# KiCad board VersaSens_HeEx.kicad_pcb
title: VersaSens Layout; date: 2024-01-10; rev: 00; company: EPFL, Embedded Systems Laboratory; note: Author: Taraneh Aminosharieh Najafi; note: Approved: José Angel Miranda Calero
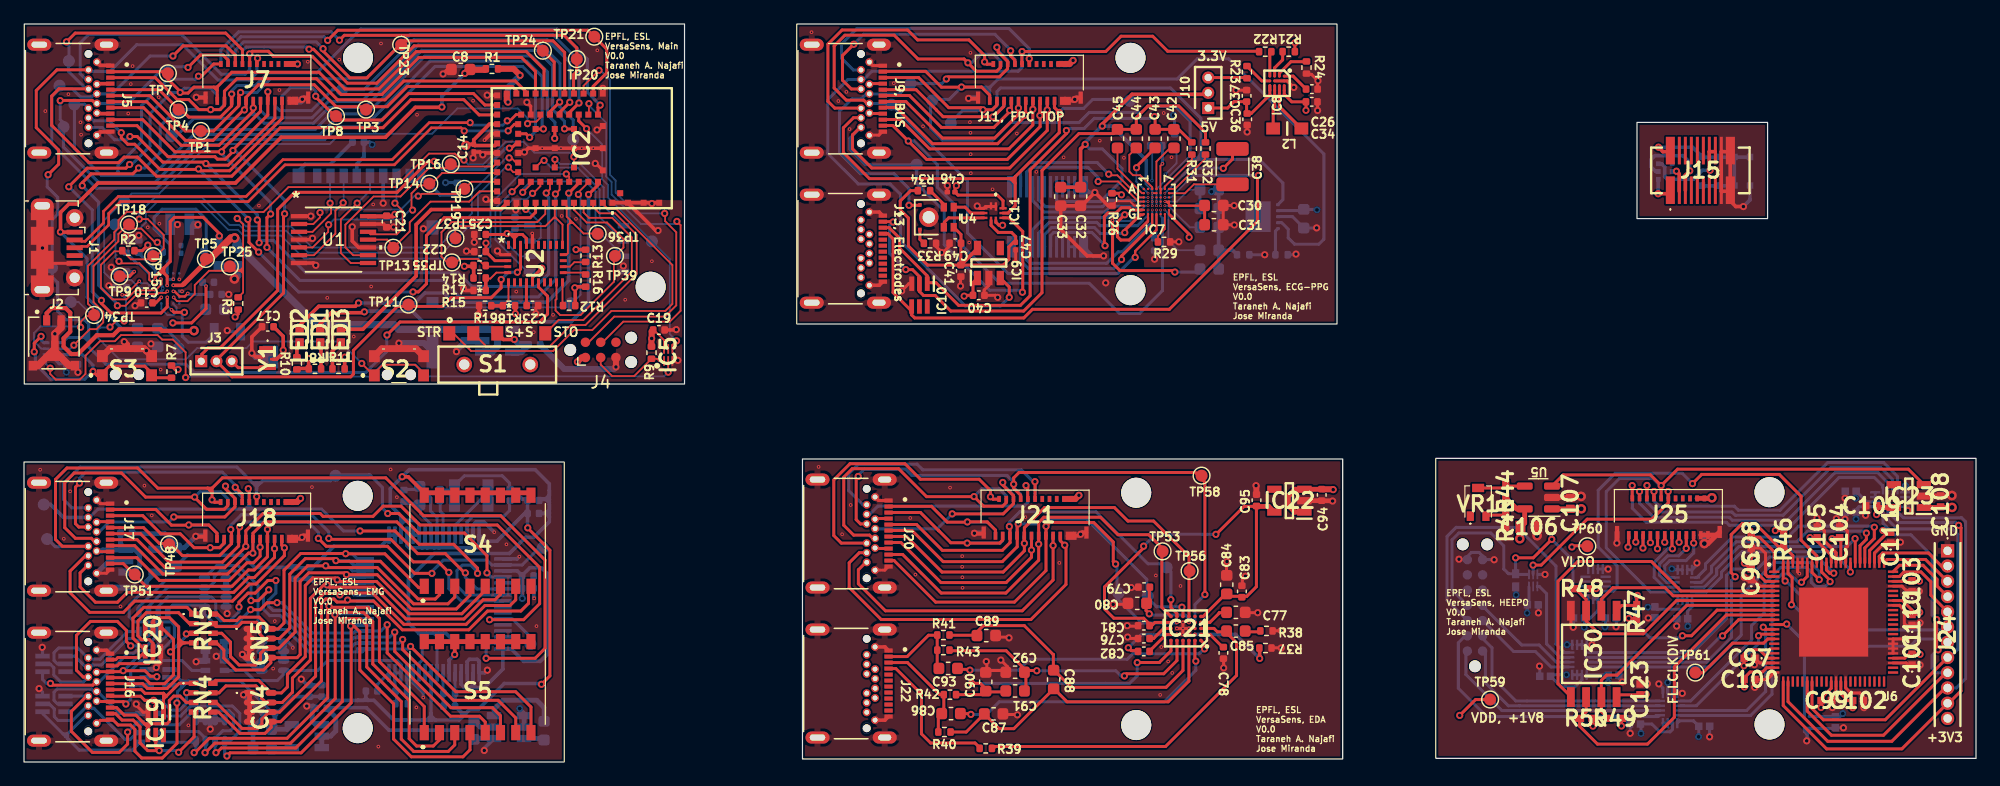
[diagram p0: board, top side]
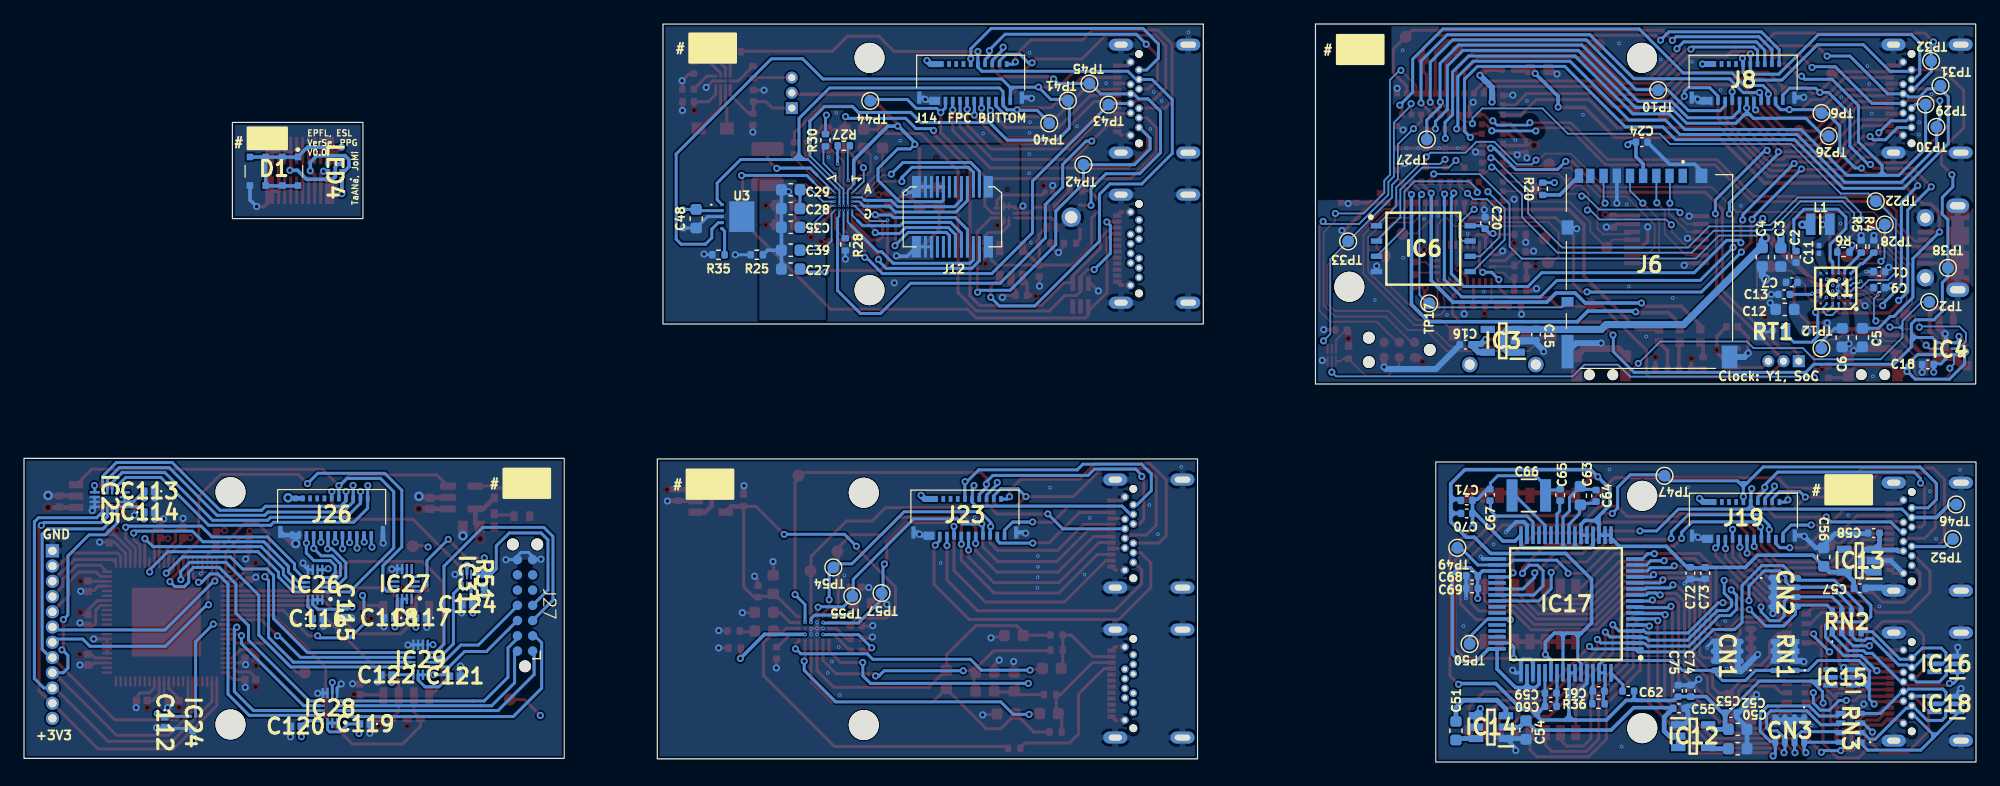
[diagram p1: board, bottom side, seen from below]

Outline 162.6 x 61.5 mm; copper layers: Top, GND (plane), PWR (plane), Bottom. Coordinates in mm from the lower left corner of the outline.
Outline path: rectangle 0,25 45,0 ; rectangle 0.02,61.5 55.02,31.5 ; rectangle 64.37,61.5 109.37,36.5 ; rectangle 64.84,25.26 109.84,0.26 ; rectangle 117.6,25.31 162.6,0.31 ; rectangle 134.36,53.31 145.23,45.29
Stack: Top 0.035mm / dielectric 0.11mm FR4 er 4.5 / GND 0.035mm / dielectric 0.4mm FR4 er 4.5 / PWR 0.035mm / dielectric 0.11mm FR4 er 4.5 / Bottom 0.035mm

## Placement (name value [footprint] x y rotation side)
C1  1uF  [C_0402_1005Metric]  8.06 40.87 180 bottom
C2  1uF  [C_0402_1005Metric]  14.99 42.1 270 bottom
C3  22uF  [C_0603_1608Metric]  16.26 42.07 270 bottom
C4  22uF  [C_0603_1608Metric]  17.8 42.07 270 bottom
C5  4.7uF  [C_0603_1608Metric]  9.46 35.37 270 bottom
C6  22uF  [C_0603_1608Metric]  11.15 35.37 270 bottom
C7  10uF  [C_0402_1005Metric]  15.35 39.98 180 bottom
C8  4.7uF  [C_0603_1608Metric]  36.37 57.72 0 top
C9  1uF  [C_0402_1005Metric]  8.06 39.53 180 bottom
C10  0.1uF  [C_0402_1005Metric]  10.23 38.27 180 top
C11  10nF  [C_0201_0603Metric]  13.08 42.72 270 bottom
C12  4.7uF  [C_0603_1608Metric]  15.91 37.72 0 bottom
C13  0.47uF  [C_0402_1005Metric]  15.99 38.97 0 bottom
C14  0.1uF  [C_0201_0603Metric]  37.46 51.16 90 top
C15  1uF  [C_0402_1005Metric]  36.65 35.62 90 bottom
C16  1uF  [C_0402_1005Metric]  42.52 34.78 180 bottom
C17  0.1uF  [C_0402_1005Metric]  20.31 36.27 180 top
C18  0.1uF  [C_0402_1005Metric]  4.01 33.13 0 bottom
C19  0.1uF  [C_0402_1005Metric]  52.88 36.01 0 top
C20  0.1uF  [C_0402_1005Metric]  40.89 44.91 90 bottom
C21  0.1uF  [C_0402_1005Metric]  30.21 45.04 270 top
C22  0.1uF  [C_0402_1005Metric]  37.99 42.54 180 top
C23  0.1uF  [C_0402_1005Metric]  42.36 38.04 180 top
C24  0.1uF  [C_0402_1005Metric]  27.84 51.66 180 bottom
C25  0.1uF  [C_0402_1005Metric]  37.99 43.96 180 top
C26  1uF  [C_0402_1005Metric]  107.27 56.08 0 top
C27  1uF  [C_0603_1608Metric]  98.73 41.08 0 bottom
C28  0.1uF  [C_0603_1608Metric]  98.73 46.12 0 bottom
C29  10uF  [C_0603_1608Metric]  98.73 47.69 0 bottom
C30  0.1uF  [C_0603_1608Metric]  99.12 46.38 0 top
C31  10uF  [C_0603_1608Metric]  99.12 44.77 0 top
C32  0.1uF  [C_0603_1608Metric]  88.01 47.13 270 top
C33  10uF  [C_0603_1608Metric]  86.36 47.13 270 top
C34  4.7uF  [C_0402_1005Metric]  107.27 55.02 0 top
C35  10uF  [C_0603_1608Metric]  98.73 44.56 180 bottom
C36  4.7uF  [C_0402_1005Metric]  101.89 53.56 270 top
C37  4.7uF  [C_0402_1005Metric]  101.84 55.52 90 top
C38  12uF  [C_1210_3225Metric]  100.66 49.62 90 top
C39  10uF  [C_0603_1608Metric]  98.73 42.65 0 bottom
C40  1uF  [C_0402_1005Metric]  79.53 38.9 180 top
C41  1uF  [C_0402_1005Metric]  78.04 40.93 270 top
C42  1nF  [C_0603_1608Metric]  95.79 51.95 90 top
C43  47nF  [C_0603_1608Metric]  94.22 51.95 90 top
C44  1nF  [C_0603_1608Metric]  92.65 51.95 90 top
C45  47nF  [C_0603_1608Metric]  91.08 51.95 90 top
C46  0.1uF  [C_0201_0603Metric]  77.23 47.5 180 top
C47  0.1uF  [C_0201_0603Metric]  82.6 43 90 top
C48  10nF  [C_0603_1608Metric]  106.6 45.28 270 bottom
C49  0.1uF  [C_0402_1005Metric]  77.57 43.23 180 top
C50  10nF  [C_0603_1608Metric]  19.85 1.11 180 bottom
C51  3.3uF  [C_0603_1608Metric]  43.32 2.61 270 bottom
C52  10uF  [C_0603_1608Metric]  19.85 2.72 180 bottom
C53  2.2uF  [C_0402_1005Metric]  20.42 4.08 180 bottom
C54  3.3uF  [C_0603_1608Metric]  37.49 2.66 270 bottom
C55  2.2uF  [C_0402_1005Metric]  24.75 4.47 0 bottom
C56  10uF  [C_0603_1608Metric]  12.69 17.08 90 bottom
C57  2.2uF  [C_0402_1005Metric]  9.68 14.48 180 bottom
C58  2.2uF  [C_0402_1005Metric]  8.52 19.08 180 bottom
C59  0.1uF  [C_0402_1005Metric]  35.43 5.74 180 bottom
C60  1uF  [C_0402_1005Metric]  35.42 4.64 180 bottom
C61  1.8nF  [C_0402_1005Metric]  31.43 5.91 180 bottom
C62  1nF  [C_0402_1005Metric]  28.96 5.91 0 bottom
C63  10uF  [C_0603_1608Metric]  32.96 22.2 270 bottom
C64  0.1uF  [C_0402_1005Metric]  31.65 22.19 270 bottom
C65  1uF  [C_0402_1005Metric]  34.64 22.25 270 bottom
C66  100uF  [CAPC3225X279N]  37.25 22.21 0 bottom
C67  1uF  [C_0402_1005Metric]  40.48 22.26 270 bottom
C68  1uF  [C_0402_1005Metric]  41.97 15.51 0 bottom
C69  0.1uF  [C_0402_1005Metric]  41.97 14.47 0 bottom
C70  1uF  [C_0402_1005Metric]  42.42 20.72 180 bottom
C71  0.1uF  [C_0402_1005Metric]  42.42 21.8 180 bottom
C72  1uF  [C_0402_1005Metric]  23.8 15.75 270 bottom
C73  0.1uF  [C_0402_1005Metric]  22.55 15.75 270 bottom
C74  1uF  [C_0402_1005Metric]  23.77 5.93 90 bottom
C75  0.1uF  [C_0402_1005Metric]  24.82 5.93 90 bottom
C76  1nF  [C_0402_1005Metric]  93.28 10.29 180 top
C77  10uF  [C_0603_1608Metric]  100.95 12.47 0 top
C78  1uF  [C_0402_1005Metric]  99.91 9.09 270 top
C79  0.1uF  [C_0402_1005Metric]  93.3 14.57 180 top
C80  10uF  [C_0603_1608Metric]  92.73 13.22 180 top
C81  0.1uF  [C_0402_1005Metric]  93.28 11.36 180 top
C82  1uF  [C_0402_1005Metric]  93.28 9.22 180 top
C83  0.1uF  [C_0402_1005Metric]  101.45 14.21 90 top
C84  10uF  [C_0603_1608Metric]  100.19 14.78 90 top
C85  10uF  [C_0603_1608Metric]  100.95 10.91 0 top
C86  47nF  [C_0603_1608Metric]  77.22 4.04 180 top
C87  10pF  [C_0603_1608Metric]  80.77 4.01 0 top
C88  47pF  [C_0603_1608Metric]  85.77 6.88 270 top
C89  10pF  [C_0603_1608Metric]  80.16 10.54 0 top
C90  10pF  [C_0603_1608Metric]  80.11 6.69 90 top
C91  2nF  [C_0603_1608Metric]  82.56 5.92 180 top
C92  10pF  [C_0603_1608Metric]  82.56 7.48 180 top
C93  47nF  [C_0603_1608Metric]  76.98 7.8 0 top
C94  1uF  [C_0402_1005Metric]  108.1 22.26 90 top
C95  1uF  [C_0402_1005Metric]  102.66 21.81 90 top
C96  0.1uF  [C0402C104J4RACTU]  143.88 15.64 90 top
C97  0.1uF  [C0402C104J4RACTU]  143.73 8.65 180 top
C98  0.1uF  [C0402C104J4RACTU]  143.88 18.27 90 top
C99  0.1uF  [C0402C104J4RACTU]  150.14 5.11 180 top
C100  0.1uF  [C0402C104J4RACTU]  143.73 6.87 180 top
C101  0.1uF  [C0402C104J4RACTU]  157.27 8.53 90 top
C102  0.1uF  [C0402C104J4RACTU]  152.78 5.12 180 top
C103  0.1uF  [C0402C104J4RACTU]  157.27 14.65 90 top
C104  0.1uF  [C0402C104J4RACTU]  151.24 19.13 270 top
C105  0.1uF  [C0402C104J4RACTU]  149.37 19.13 270 top
C106  22uF  [CAPC1608X80N]  125.35 19.6 180 top
C107  10uF  [CAPC1005X70N]  128.81 21.56 270 top
C108  1uF  [CAPC1005X55N]  159.65 21.72 270 top
C109  1uF  [CAPC1005X55N]  153.88 21.35 0 top
C110  0.1uF  [C0402C104J4RACTU]  157.27 11.85 90 top
C111  0.1uF  [C0402C104J4RACTU]  155.49 18.7 90 top
C112  0.1uF  [C0402C104J4RACTU]  150.88 3.31 270 bottom
C113  0.1uF  [C0402C104J4RACTU]  152.16 22.57 0 bottom
C114  0.1uF  [C0402C104J4RACTU]  152.15 20.82 180 bottom
C115  0.1uF  [C0402C104J4RACTU]  135.85 12.48 90 bottom
C116  0.1uF  [C0402C104J4RACTU]  138.13 11.94 180 bottom
C117  0.1uF  [C0402C104J4RACTU]  129.53 12.01 0 bottom
C118  0.1uF  [C0402C104J4RACTU]  132.17 12.01 0 bottom
C119  0.1uF  [C0402C104J4RACTU]  134.2 3.17 0 bottom
C120  0.1uF  [C0402C104J4RACTU]  139.96 2.98 0 bottom
C121  0.1uF  [C0402C104J4RACTU]  126.71 7.15 0 bottom
C122  0.1uF  [C0402C104J4RACTU]  132.41 7.24 0 bottom
C123  0.1uF  [C0402C104J4RACTU]  134.61 6.05 270 top
C124  0.1uF  [C0402C104J4RACTU]  125.68 13.1 0 bottom
CN1  -  [CA064C102K5RACTU]  20.73 8.83 90 bottom
CN2  -  [CA064C102K5RACTU]  15.93 14.15 270 bottom
CN3  -  [CA064C102K5RACTU]  15.52 2.62 0 bottom
CN4  -  [CA064C102K5RACTU]  19.69 4.56 270 top
CN5  -  [CA064C102K5RACTU]  19.66 9.89 270 top
D1  -  [VEMD8080]  141.78 49.23 0 bottom
H1  MountingHole  [MountingHole_2.5mm]  27.82 58.68 0 top
H2  MountingHole  [MountingHole_2.5mm]  52.2 39.61 0 top
H3  MountingHole  [MountingHole_2.5mm]  92.17 58.68 0 top
H4  MountingHole  [MountingHole_2.5mm]  92.17 39.32 0 top
H5  MountingHole  [MountingHole_2.5mm]  27.8 22.18 0 top
H6  MountingHole  [MountingHole_2.5mm]  27.8 2.82 180 top
H7  MountingHole  [MountingHole_2.5mm]  92.65 22.44 0 top
H8  MountingHole  [MountingHole_2.5mm]  92.65 3.08 0 top
H22  MountingHole  [MountingHole_2.5mm]  145.4 22.49 0 top
H23  MountingHole  [MountingHole_2.5mm]  145.4 3.13 0 top
IC1  MAX77658BANX+T  [BGA36C50P6X6_323X296X50]  11.68 39.47 0 bottom
IC2  453-00052R  [45300052R]  46.46 51.15 270 top
IC3  TPS7A0333PDBVR  [SOT95P280X145-5N]  39.42 35.1 0 bottom
IC4  SN74AUP2G08RSER  [RSE0008A]  2.52 34.44 0 bottom
IC5  SN74AUP1G08DSFR  [SON35P100X100X40-6N]  53.66 33.92 90 top
IC6  AS5F38G04SND-08LIN  [SON127P800X600X80-8N]  46.03 42.78 180 bottom
IC7  MAX86178ENJ+  [21-100520_N492A2&plus_1_MXM]  94.33 46.71 0 top
IC8  MAX20343FEWE+T  [BGA16C40P4X4_201X177X69]  104.37 56.56 270 top
IC9  TPS7A0318PDBVR  [SOT95P280X145-5N]  80.37 41.58 90 top
IC10  TPD4E1B06DCKR  [SOT65P210X110-6N]  74.59 38.91 270 top
IC11  -  [SN74AXC2T245RSWR]  80.75 45.75 270 top
IC12  TPS72325DBVR  [SOT95P280X145-5N]  23.55 2.15 180 bottom
IC13  TLV70025QDDCRQ1  [SOT95P280X110-5N]  9.73 16.78 0 bottom
IC14  LM2664M6_NOPB  [SOT95P280X145-6N]  40.4 2.91 0 bottom
IC15  TPD4E1B06DCKR  [SOT65P210X110-6N]  11.17 7.05 0 bottom
IC16  TPD4E1B06DCKR  [SOT65P210X110-6N]  2.5 8.17 0 bottom
IC17  ADS1298IPAGR  [QFP50P1200X1200X120-64N]  34.15 13.17 0 bottom
IC18  TPD4E1B06DCKR  [SOT65P210X110-6N]  2.5 4.84 0 bottom
IC19  TPD4E1B06DCKR  [SOT65P210X110-6N]  10.97 3.2 270 top
IC20  TPD4E1B06DCKR  [SOT65P210X110-6N]  10.75 10.17 90 top
IC21  MAX30001GCWV+  [BGA30C50P6X5_293X274X69]  96.79 11.13 180 top
IC22  TPS7A0318PDBVR  [SOT95P280X145-5N]  105.4 21.78 180 top
IC23  TPS7A0318PDBVR  [SOT95P280X145-5N]  157.01 22.16 180 top
IC24  SIT1532AC-J5-DCC-32.768D  [SIT1532ACJ5DCC32768D]  148.51 3.3 90 bottom
IC25  SN74AXC4T774RSVR  [QFN40P180X260X55-16N]  155.45 21.88 270 bottom
IC26  SN74AXC4T774RSVR  [QFN40P180X260X55-16N]  138.34 14.77 0 bottom
IC27  SN74AXC4T774RSVR  [QFN40P180X260X55-16N]  130.9 14.84 0 bottom
IC28  SN74AXC4T774RSVR  [QFN40P180X260X55-16N]  137.12 4.49 0 bottom
IC29  SN74AXC4T774RSVR  [QFN40P180X260X55-16N]  129.57 8.52 0 bottom
IC30  W25Q128JWSIQ  [SOIC127P790X216-8N]  130.75 9.01 270 top
IC31  SN74AUP1G08DSFR  [SON35P100X100X40-6N]  125.71 15.13 270 bottom
J1  USB_B_Micro  [USB_Micro-B_Molex-105017-0001]  2.76 42.86 270 top
J2  BM02B-ACHSS-GAN-TF_LF__SN_  [JST_BM02B-ACHSS-GAN-TF_LF__SN_]  2.49 34.92 0 top
J3  Conn_01x03_Socket  [HDRV3W40P0X127_1X3_381X210X430P]  14.76 33.4 0 top
J4  Conn_ARM_SWD_TagConnect_TC2030  [Tag-Connect_TC2030-IDC-NL_2x03_P1.27mm_Vertical]  48.04 34.34 0 top
J5  USBC_F_IN  [GCT_USB4055-30-A]  2.62 55.28 270 top
J6  DM3AT-SF-PEJM5  [DM3ATSFPEJM5]  27.2 41.44 180 bottom
J7  502598-2393  [5025982393]  19.4 57 0 top
J8  502598-2393  [5025982393]  19.4 57 180 bottom
J9, BUS  USBC_F_IN  [GCT_USB4055-30-A]  66.97 55.28 270 top
J10  Conn_01x03_Socket  [HDRV3W40P0X127_1X3_381X210X430P]  98.64 54.5 90 top
J11, FPC TOP  502598-2393  [5025982393]  83.74 57 0 top
J12  -  [AXK520147YG]  85.26 45.44 180 bottom
J13, Electrodes  USBC_F_Electrodes  [GCT_USB4055-30-A]  66.97 42.78 270 top
J14, FPC BUTTOM  502598-2393  [5025982393]  83.74 57 180 bottom
J15  -  [AXK620347YG]  139.64 49.3 0 top
J16  USBC_F_Electrodes  [GCT_USB4055-30-A]  2.6 6.28 270 top
J17  USBC_F_IN  [GCT_USB4055-30-A]  2.6 18.78 270 top
J18  502598-2393  [5025982393]  19.37 20.5 0 top
J19  502598-2393  [5025982393]  19.37 20.5 180 bottom
J20  USBC_F_IN  [GCT_USB4055-30-A]  67.44 19.04 270 top
J21  502598-2393  [5025982393]  84.22 20.76 0 top
J22  USBC_F_Electrodes  [GCT_USB4055-30-A]  67.44 6.54 270 top
J23  502598-2393  [5025982393]  84.22 20.76 180 bottom
J24  GRPB121VWVN-RC  [GRPB121VWVNRC]  160.23 17.6 90 top
J25  502598-2393  [5025982393]  136.97 20.81 0 top
J26  502598-2393  [5025982393]  136.97 20.81 180 bottom
J27  TC2070-IDC  [TC2070-NL-FP]  120.87 13.05 90 bottom
L1  1.5uH  [1285ASH1R0MP2]  12.97 44.82 0 bottom
L2  1uH  [LQM21PN1R0MEHD]  105.23 52.79 180 top
LED1  SML-P12UTT86R  [LEDC1006X25N]  24.67 35.51 270 top
LED2  SML-P13PTT86R  [LEDC1006X25N]  22.96 35.52 270 top
LED3  SML-P12WTT86R  [LEDC1006X25N]  26.39 35.51 270 top
LED4  SFH_7016  [SFH7016]  136.71 49.21 270 bottom
R1  4.7  [R_0402_1005Metric]  38.98 57.76 0 top
R2  100k  [R_0402_1005Metric]  8.69 42.61 0 top
R3  100k  [R_0402_1005Metric]  17.84 38.21 270 top
R4  0  [R_0402_1005Metric]  8.52 42.96 90 bottom
R5  0  [R_0402_1005Metric]  9.56 42.96 90 bottom
R6  100k  [R_0402_1005Metric]  11.04 42.5 180 bottom
R7  100k  [R_0402_1005Metric]  12.29 32.53 90 top
R8  62  [R_0402_1005Metric]  24.24 32.77 180 top
R9  100k  [R_0402_1005Metric]  52.27 34.11 90 top
R10  62  [R_0402_1005Metric]  22.73 33.23 270 top
R11  62  [R_0402_1005Metric]  26.2 32.77 0 top
R12  2.2k  [R_0402_1005Metric]  45.41 38.04 180 top
R13  10k  [R_0402_1005Metric]  46.77 42.19 90 top
R14  100k  [R_0402_1005Metric]  37.95 41.38 180 top
R15  0  [R_0402_1005Metric]  37.95 39.3 0 top
R16  2.2k  [R_0402_1005Metric]  46.78 40.12 270 top
R17  0  [R_0402_1005Metric]  37.95 40.34 0 top
R18  0  [R_0402_1005Metric]  40.39 38.03 180 top
R19  0  [R_0402_1005Metric]  38.41 38.03 0 top
R20  10k  [R_0402_1005Metric]  36.09 47.77 90 bottom
R21  10k  [R_0402_1005Metric]  105.35 59.2 180 top
R22  0  [R_0402_1005Metric]  103.39 59.2 180 top
R23  10k  [R_0402_1005Metric]  101.87 57.49 270 top
R24  6.65k  [R_0402_1005Metric]  106.83 57.88 270 top
R25  0  [R_0402_1005Metric]  101.55 42.27 0 bottom
R26  0  [R_0402_1005Metric]  90.63 46.89 270 top
R27  1k  [R_0402_1005Metric]  94.31 51.36 180 bottom
R28  0  [R_0402_1005Metric]  94.18 43.13 270 bottom
R29  0  [R_0402_1005Metric]  94.96 43.34 0 top
R30  0  [R_0402_1005Metric]  95.83 51.82 270 bottom
R31  25.2k  [R_0402_1005Metric]  97.28 51.13 270 top
R32  25.2k  [R_0402_1005Metric]  98.42 51.13 270 top
R33  0  [R_0402_1005Metric]  75.47 43.22 180 top
R34  0  [R_0402_1005Metric]  74.97 47.62 180 top
R35  0  [R_0402_1005Metric]  104.75 42.27 0 bottom
R36  1M  [R_0402_1005Metric]  31.45 4.86 0 bottom
R37  324k  [R_0402_1005Metric]  103.41 9.5 180 top
R38  0  [R_0402_1005Metric]  103.49 10.93 0 top
R39  200  [R_0402_1005Metric]  80.11 1.13 0 top
R40  200  [R_0402_1005Metric]  76.67 2.5 0 top
R41  200  [R_0402_1005Metric]  76.58 10.58 0 top
R42  200k  [R_0402_1005Metric]  77.12 5.61 0 top
R43  200k  [R_0402_1005Metric]  76.58 9.32 0 top
R44  2k  [RESC1005X37N]  123.43 22.55 270 top
R45  1.69k  [RESC1005X40N]  123.43 20.14 90 top
R46  100k  [RESC1005X37N]  146.58 18.55 270 top
R47  10k  [RESC1005X40N]  134.34 12.5 270 top
R48  10k  [RESC1005X40N]  129.78 14.44 0 top
R49  10k  [RESC1005X40N]  132.51 3.64 0 top
R50  10k  [RESC1005X40N]  130.13 3.64 0 top
R51  100k  [RESC1005X37N]  124.25 15.14 270 bottom
RN1  CAY16A-2201F4LF  [CAY16A2201F4LF]  15.91 8.83 90 bottom
RN2  CAY16A-2201F4LF  [CAY16A2201F4LF]  10.77 11.68 180 bottom
RN3  CAY16A-2201F4LF  [CAY16A2201F4LF]  10.47 2.85 90 bottom
RN4  CAY16A-2201F4LF  [CAY16A2201F4LF]  14.93 5.36 270 top
RN5  CAY16A-2201F4LF  [CAY16A2201F4LF]  14.95 11.13 270 top
RT1  NTCS0805E3104SMT  [THRMC2012X95N]  16.94 35.85 0 bottom
S1  -  [AYZ0103AGRLC]  39.42 31.62 0 top
S2  -  [KMS231GPLFS]  31.23 33.02 0 top
S3  -  [KMS231GPLFS]  8.58 33.03 0 top
S4  -  [GDH08STR04]  37.78 18.44 0 top
S5  -  [GDH08STR04]  37.78 6.24 0 top
TP1  TestPoint  [TestPoint_Pad_D1.0mm]  14.73 52.59 0 top
TP2  TestPoint  [TestPoint_Pad_D1.0mm]  3.89 38.33 180 bottom
TP3  TestPoint  [TestPoint_Pad_D1.0mm]  28.49 54.37 0 top
TP4  TestPoint  [TestPoint_Pad_D1.0mm]  12.87 54.37 0 top
TP5  TestPoint  [TestPoint_Pad_D1.0mm]  15.15 41.92 0 top
TP6  TestPoint  [TestPoint_Pad_D1.0mm]  12.87 54.08 180 bottom
TP7  TestPoint  [TestPoint_Pad_D1.0mm]  11.98 57.39 0 top
TP8  TestPoint  [TestPoint_Pad_D1.0mm]  25.98 53.83 0 top
TP9  TestPoint  [TestPoint_Pad_D1.0mm]  7.96 40.48 0 top
TP10  TestPoint  [TestPoint_Pad_D1.0mm]  26.47 55.99 180 bottom
TP11  TestPoint  [TestPoint_Pad_D1.0mm]  32.02 38.12 0 top
TP12  TestPoint  [TestPoint_Pad_D1.0mm]  12.88 34.47 180 bottom
TP13  TestPoint  [TestPoint_Pad_D1.0mm]  30.76 42.86 0 top
TP14  TestPoint  [TestPoint_Pad_D1.0mm]  33.76 48.2 0 top
TP15  TestPoint  [TestPoint_Pad_D1.0mm]  10.76 42.15 270 top
TP16  TestPoint  [TestPoint_Pad_D1.0mm]  35.55 49.82 0 top
TP17  TestPoint  [TestPoint_Pad_D1.0mm]  45.55 38.22 270 bottom
TP18  TestPoint  [TestPoint_Pad_D1.0mm]  8.74 44.8 0 top
TP19  TestPoint  [TestPoint_Pad_D1.0mm]  36.69 47.76 270 top
TP20  TestPoint  [TestPoint_Pad_D1.0mm]  46.05 58.58 0 top
TP21  TestPoint  [TestPoint_Pad_D1.0mm]  47.5 60.45 0 top
TP22  TestPoint  [TestPoint_Pad_D1.0mm]  8.35 46.73 180 bottom
TP23  TestPoint  [TestPoint_Pad_D1.0mm]  31.42 59.77 270 top
TP24  TestPoint  [TestPoint_Pad_D1.0mm]  43.22 59.28 0 top
TP25  TestPoint  [TestPoint_Pad_D1.0mm]  17.14 41.3 0 top
TP26  TestPoint  [TestPoint_Pad_D1.0mm]  12.26 52.16 180 bottom
TP27  TestPoint  [TestPoint_Pad_D1.0mm]  45.75 51.88 180 bottom
TP28  TestPoint  [TestPoint_Pad_D1.0mm]  7.6 44.79 180 bottom
TP29  TestPoint  [TestPoint_Pad_D1.0mm]  4.2 54.79 180 bottom
TP30  TestPoint  [TestPoint_Pad_D1.0mm]  3.29 52.93 180 bottom
TP31  TestPoint  [TestPoint_Pad_D1.0mm]  2.96 56.36 180 bottom
TP32  TestPoint  [TestPoint_Pad_D1.0mm]  3.74 58.42 180 bottom
TP33  TestPoint  [TestPoint_Pad_D1.0mm]  52.3 43.39 180 bottom
TP34  TestPoint  [TestPoint_Pad_D1.0mm]  5.84 37.25 180 top
TP35  TestPoint  [TestPoint_Pad_D1.0mm]  35.65 41.64 180 top
TP36  TestPoint  [TestPoint_Pad_D1.0mm]  47.78 44.02 180 top
TP37  TestPoint  [TestPoint_Pad_D1.0mm]  35.94 43.65 180 top
TP38  TestPoint  [TestPoint_Pad_D1.0mm]  2.33 41.18 180 bottom
TP39  TestPoint  [TestPoint_Pad_D1.0mm]  49.23 42.17 0 top
TP40  TestPoint  [TestPoint_Pad_D1.0mm]  77.2 53.23 180 bottom
TP41  TestPoint  [TestPoint_Pad_D1.0mm]  75.65 55.12 180 bottom
TP42  TestPoint  [TestPoint_Pad_D1.0mm]  74.35 49.78 180 bottom
TP43  TestPoint  [TestPoint_Pad_D1.0mm]  72.26 54.78 180 bottom
TP44  TestPoint  [TestPoint_Pad_D1.0mm]  92.1 55.1 180 bottom
TP45  TestPoint  [TestPoint_Pad_D1.0mm]  73.85 56.54 180 bottom
TP46  TestPoint  [TestPoint_Pad_D1.0mm]  1.65 21.46 180 bottom
TP47  TestPoint  [TestPoint_Pad_D1.0mm]  25.95 23.85 180 bottom
TP48  TestPoint  [TestPoint_Pad_D1.0mm]  12.08 18.14 90 top
TP49  TestPoint  [TestPoint_Pad_D1.0mm]  43.21 17.85 180 bottom
TP50  TestPoint  [TestPoint_Pad_D1.0mm]  42.18 9.84 180 bottom
TP51  TestPoint  [TestPoint_Pad_D1.0mm]  9.22 15.62 0 top
TP52  TestPoint  [TestPoint_Pad_D1.0mm]  1.93 18.58 180 bottom
TP53  TestPoint  [TestPoint_Pad_D1.0mm]  94.84 17.56 0 top
TP54  TestPoint  [TestPoint_Pad_D1.0mm]  95.18 16.21 180 bottom
TP55  TestPoint  [TestPoint_Pad_D1.0mm]  93.6 13.83 180 bottom
TP56  TestPoint  [TestPoint_Pad_D1.0mm]  97.09 15.92 0 top
TP57  TestPoint  [TestPoint_Pad_D1.0mm]  91.16 14.08 180 bottom
TP58  TestPoint  [TestPoint_Pad_D1.0mm]  98.09 23.86 0 top
TP59  TestPoint  [TestPoint_Pad_D1.0mm]  122.12 5.21 0 top
TP60  TestPoint  [TestPoint_Pad_D1.0mm]  130.22 17.99 0 top
TP61  TestPoint  [TestPoint_Pad_D1.0mm]  139.22 7.45 0 top
U1  MC74AC125DTR2G  [TSSOP14_4P50X5P10_ONS]  25.78 43.54 0 top
U2  -  [BNO086]  42.61 41.53 90 top
U3  MLX90632SLD-DCB-100-RE  [MLX90632SLDDCB100RE]  103.2 45.45 180 bottom
U4  MMICT5838-00-012  [LGA_CAV5_IVS]  75.37 45.4 0 top
U5  TLV75801PDBV  [SOT-23-5]  126.14 22.04 180 top
U6  Heepocrates  [QFN40P1000X1000X80-89N-D]  150.74 11.66 0 top
VR1  TC42X-2-203E  [TC42X2103E]  121.12 21.66 0 top
Y1  SIT1533AI-H4-DCC-32.768D  [SIT1534AIH4DCC00032G]  20.29 33.66 270 top
